# Altium PCB PCB.PcbDoc (continued)
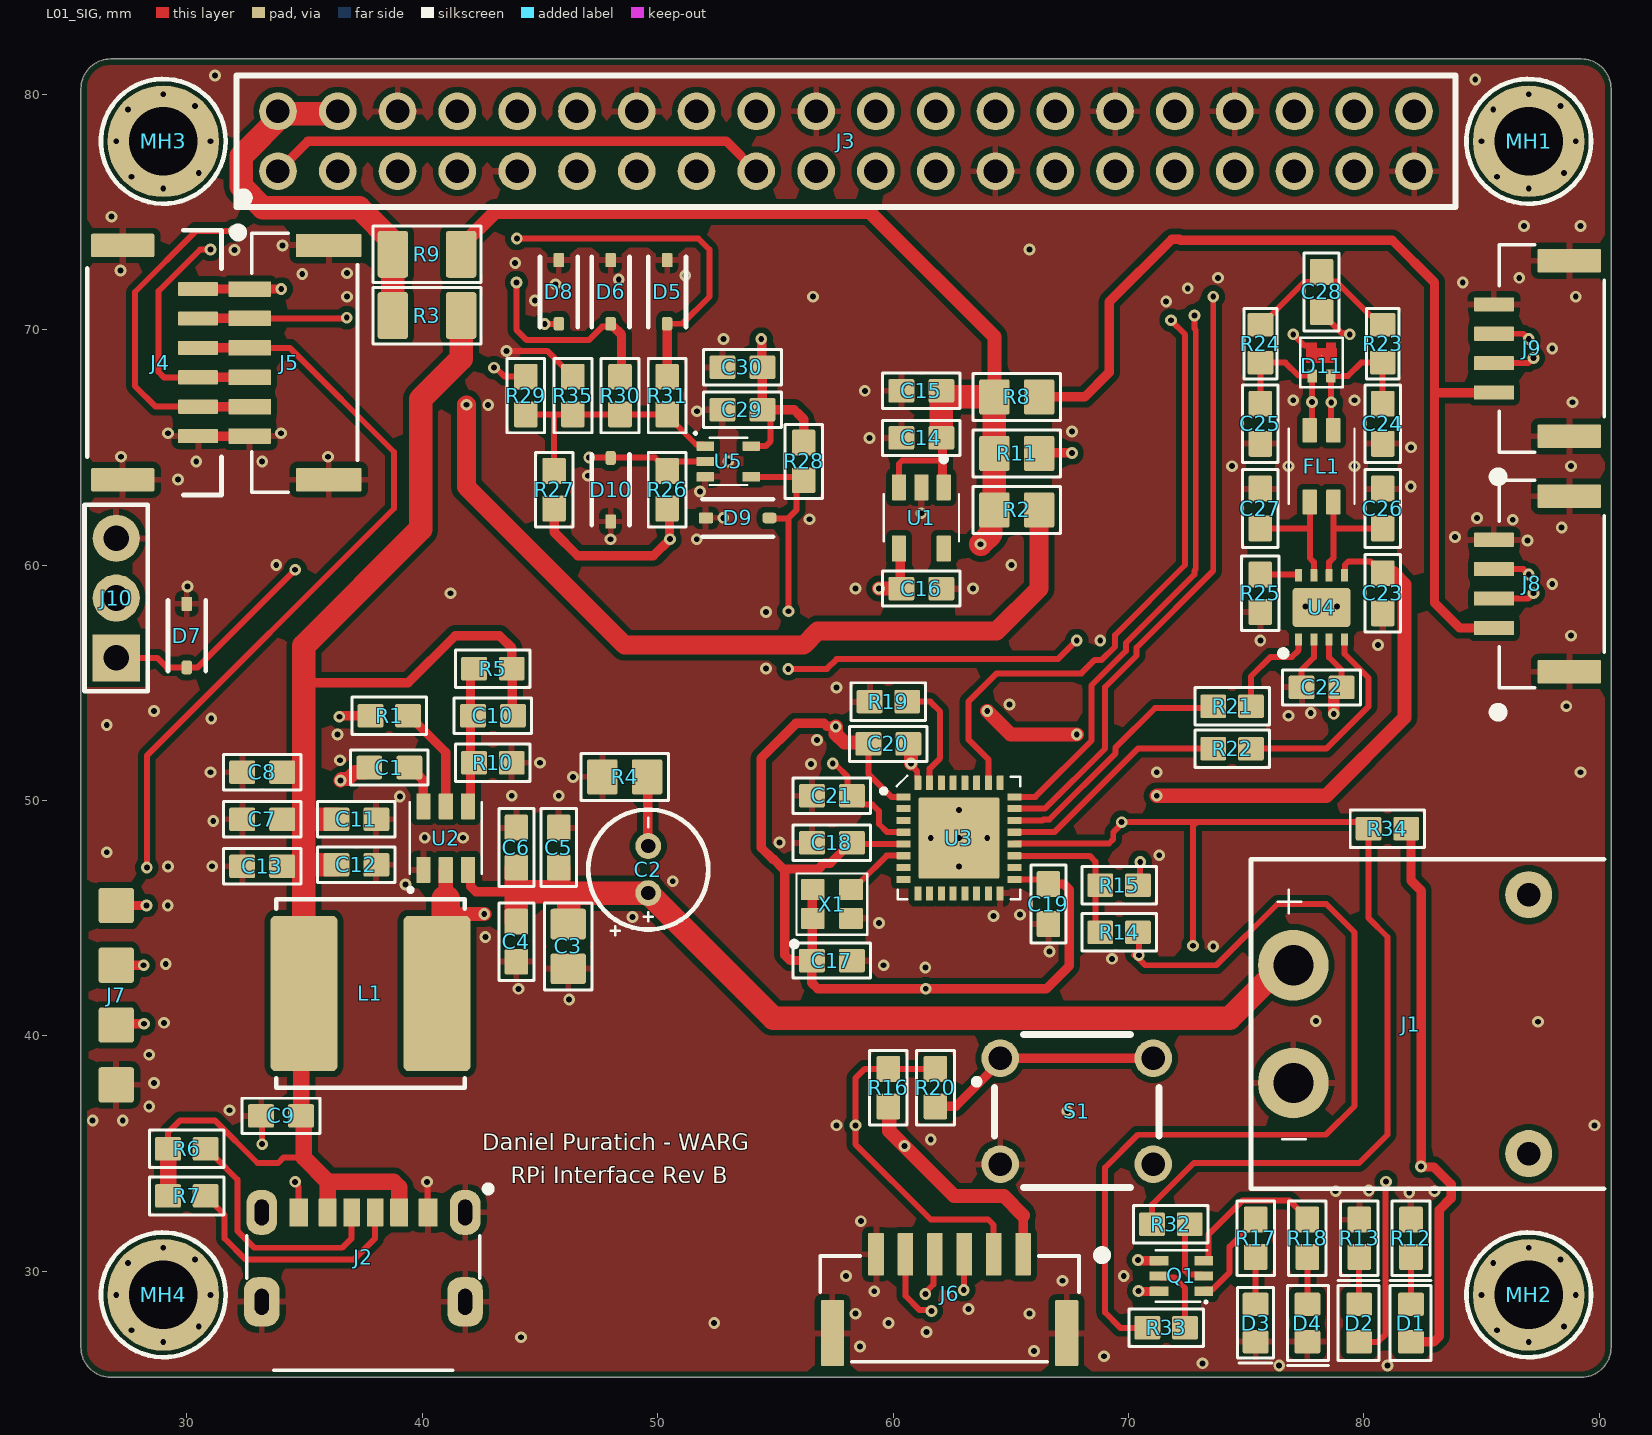
[diagram p0: L01_SIG view]
## Footprints (in the part's own frame and the unit in brackets; to place one, negate y for a bottom-side part, rotate by r counter-clockwise, add the part's x,y. Pads: shape width x height; smd on the part's side, far side on the other; paste and mask are expansions set on the pad)
74LVC1G125GW,125-Footprint-1 [mm]
  rrect15% 0.75x0.4 smd: 1(-0.975,0.65) 2(-0.975,0) 3(-0.975,-0.65) 4(0.975,-0.65) 5(0.975,0.65)
  silkscreen extent -1.41,-1 0.8,1.21, body extent -1,-1.07 1.1,1.07, height 0.91
61300311121 [mm] "Pin Header, pitch 2.54 mm, THT, Vertical, single row, 3p"
  rect 2x2 hole 1.1: 1(-2.54,0)
  round 2 hole 1.1: 2(0,0) 3(2.54,0)
  silkscreen extent -3.96,-1.35 3.96,1.35, body extent -3.81,-1.27 3.81,1.27, height 8.57
.CAP_0603-Footprint-1 [mm]
  rrect15% 1.1x1 smd: 1(-0.85,0) 2(0.85,0)
  silkscreen extent -1.65,-0.75 1.65,0.75, body extent -0.87,-0.45 0.87,0.5, height 0.87
.CAP_0805-Footprint-1 [mm]
  rrect15% 1.3x1.5 smd: 1(-0.95,0) 2(0.95,0)
  silkscreen extent -1.85,-1 1.85,1, body extent -1.1,-0.7 1.1,0.75, height 1.39
.LED_0603-Footprint-1 [mm]
  rrect20% 1x1.1 smd: 1(-0.8,0) 2(0.8,0)
  silkscreen extent -1.6,-0.85 1.8,0.9, body extent -0.81,-0.4 0.81,0.4, height 0.6
.RES_0603-Footprint-1 [mm]
  rrect15% 1.1x1 smd: 1(-0.8,0) 2(0.8,0)
  silkscreen extent -1.58,-0.8 1.58,0.8, body extent -0.8,-0.4 0.8,0.4, height 0.46
.RES_0805-Footprint-1 [mm]
  rrect15% 1.3x1.5 smd: 1(-0.95,0) 2(0.95,0)
  silkscreen extent -1.85,-1 1.85,1, body extent -1,-0.62 1,0.63, height 0.61
.RES_1206-Footprint-1 [mm]
  rrect20% 1.3x2 smd: 1(-1.45,0) 2(1.45,0)
  silkscreen extent -2.3,-1.2 2.3,1.2, body extent -1.6,-0.8 1.6,0.8, height 0.61
ACT1210D-510-2P-TL00-Footprint-1 [mm]
  rrect10% 1.05x0.6 smd: 1(-1.525,0.5) 2(-1.525,-0.5) 3(1.525,-0.5) 4(1.525,0.5)
  silkscreen extent -1.6,-1.4 1.6,1.4, body extent -1.95,-1.25 1.95,1.25, height 2.5
ASDDV-8.000MHZ-LR-T-Footprint-1 [mm]
  rrect10% 1x0.9 smd: 1(-0.813,-0.613) 2(0.813,-0.613) 3(0.813,0.613) 4(-0.813,0.613)
  silkscreen extent -1.7,-1.8 1.5,1.3, body extent -1.25,-1 1.25,1, height 0.91
BM06B-GHS-TBT-Footprint-1 [mil]
  rrect10% 26x71 smd paste+0: 1(123.03,91.58) 2(73.82,91.58) 3(24.61,91.58) 4(-24.61,91.58) 5(-73.82,91.58) 6(-123.03,91.58)
  rrect10% 39x110 smd paste-55: 7(-195.87,-40.31) 8(195.87,-40.31)
  silkscreen extent -216,-89 223,116, body extent -212,-84 212,111, height 166
CONN_SM04B-GHS-TB_JST [mm]
  rrect10% 0.6x1.7 smd: 1(-1.875,1.876) 2(-0.625,1.876) 3(0.625,1.876) 4(1.875,1.876)
  rrect10% 1x2.7 smd: 5(-3.725,-1.324) 6(3.725,-1.324)
  silkscreen extent -5.65,-2.8 4.4,1.9, body extent -4.13,-2.55 4.13,2.3, height 4.25
DESD5V0U1BA-7-Footprint-1 [mm]
  rrect15% 0.59x0.45 smd mask+0.102: 1(1.35,0)
  rrect50% 0.59x0.45 smd: 2(-1.35,0)
  silkscreen extent -1.5,-0.8 1.5,0.8, body extent -1.25,-0.65 1.25,0.65, height 1.2
ECE-A1EKA220-Footprint-1 [mm]
  round 1.1 hole 0.6: 1(-1,0) 2(1,0)
  silkscreen extent -2.8,-2.55 2.55,2.55, body extent -2.73,-2.49 2.73,2.49, height 7.01
LTST-C194TBKT-Footprint-1 [mm]
  rrect20% 1x1.1 smd: 1(-0.8,0) 2(0.8,0)
  silkscreen extent -1.51,-0.76 1.69,0.76, body extent -0.81,-0.4 0.81,0.4, height 0.6
M2.5HOLE-STANDARD-Footprint-1 [mm]
  round 4.75 hole 2.9: 1(0,0)
  silkscreen extent -2.65,-2.65 2.65,2.65
PESD2CANFD24U-QCZ-Footprint-1 [mm]
  rrect10% 0.4x0.55 smd: 1(0.4,0.375) 2(-0.4,0.375)
  round 0.025 smd: 3(0,-0.5)
  L01_SIG region: -0.6,-1.05 -0.6,-0.8 -0.65,-0.8 -0.65,-0.2 0.65,-0.2 0.65,-0.8 0.6,-0.8 0.6,-1.05 0.2,-1.05 0.2,-0.8 -0.2,-0.8 -0.2,-1.05
  silkscreen extent -0.9,-1.25 0.9,0.85, body extent -0.7,-0.82 0.7,0.4, height 0.49
PPPC202LFBN-RC-Footprint-1 [mm]
  round 1.6 hole 1: 1(-24.13,-1.27) 2(-24.13,1.27) 3(-21.59,-1.27) 4(-21.59,1.27) 5(-19.05,-1.27) 6(-19.05,1.27) 7(-16.51,-1.27) 8(-16.51,1.27) 9(-13.97,-1.27) 10(-13.97,1.27) 11(-11.43,-1.27) 12(-11.43,1.27) 13(-8.89,-1.27) 14(-8.89,1.27) 15(-6.35,-1.27) 16(-6.35,1.27) 17(-3.81,-1.27) 18(-3.81,1.27) 19(-1.27,-1.27) 20(-1.27,1.27) 21(1.27,-1.27) 22(1.27,1.27) 23(3.81,-1.27) 24(3.81,1.27) 25(6.35,-1.27) 26(6.35,1.27) 27(8.89,-1.27) 28(8.89,1.27) 29(11.43,-1.27) 30(11.43,1.27) 31(13.97,-1.27) 32(13.97,1.27) 33(16.51,-1.27) 34(16.51,1.27) 35(19.05,-1.27) 36(19.05,1.27) 37(21.59,-1.27) 38(21.59,1.27) 39(24.13,-1.27) 40(24.13,1.27)
  silkscreen extent -25.9,-2.8 25.9,2.8, body extent -25.65,-2.54 25.65,2.54, height 8.52
RES0603 [mm] "SMT Resistor 0603"
  rrect15% 1x1.1 smd: 1(-0.8,0) 2(0.8,0)
  silkscreen extent -1.5,-0.7 1.5,0.7, body extent -0.8,-0.4 0.8,0.4, height 0.46
SM06B-GHS-TB [mm]
  rrect15% 0.6x1.7 smd paste+0 mask+0.05: 1(-3.125,2.275) 2(-1.875,2.275) 3(-0.625,2.275) 4(0.625,2.275) 5(1.875,2.275) 6(3.125,2.275)
  rrect15% 1x2.7 smd paste+0 mask+0.05: 7(-4.975,-0.925) 8(4.975,-0.925)
  silkscreen extent -5.63,-2.42 5.63,3.27, body extent -5.58,-2.37 5.58,3.22, height 0.25
SOLDERPAD_4PIN-Footprint-1 [mm]
  rrect15% 1.5x1.5 smd: 1(0,3.81) 2(0,1.27) 3(0,-1.27) 4(0,-3.81)
SOT-23-5 [mm]
  rrect10% 1.1x0.6 smd: 1(-1.3,0.95) 2(-1.3,0) 3(-1.3,-0.95) 4(1.3,-0.95) 5(1.3,0.95)
  silkscreen extent -2.61,-1.6 1,1.6, body extent -1.4,-1.45 1.4,1.45, height 1.45
SRN8040TA-4R7M-Footprint-1 [mm]
  rrect15% 6.6x2.85 smd: 1(0,2.825) 2(0,-2.825)
  silkscreen extent -4,-4 4,4
SSM6N7002KFULF-Footprint-1 [mm]
  rrect15% 0.4x0.8 smd: 1(-0.65,-0.95) 2(0,-0.95) 3(0.65,-0.95) 4(0.65,0.95) 5(0,0.95) 6(-0.65,0.95)
  silkscreen extent -1.11,-1.1 1.1,1.1, body extent -1,-1.05 1,1.05, height 0.95
STM32L431KCU6-Footprint-1 [mm]
  rrect10% 0.6x0.3 smd: 1(-2.35,1.75) 2(-2.35,1.25) 3(-2.35,0.75) 4(-2.35,0.25) 5(-2.35,-0.25) 6(-2.35,-0.75) 7(-2.35,-1.25) 8(-2.35,-1.75) 17(2.35,-1.75) 18(2.35,-1.25) 19(2.35,-0.75) 20(2.35,-0.25) 21(2.35,0.25) 22(2.35,0.75) 23(2.35,1.25) 24(2.35,1.75)
  rrect10% 0.3x0.6 smd: 9(-1.75,-2.35) 10(-1.25,-2.35) 11(-0.75,-2.35) 12(-0.25,-2.35) 13(0.25,-2.35) 14(0.75,-2.35) 15(1.25,-2.35) 16(1.75,-2.35) 25(1.75,2.35) 26(1.25,2.35) 27(0.75,2.35) 28(0.25,2.35) 29(-0.25,2.35) 30(-0.75,2.35) 31(-1.25,2.35) 32(-1.75,2.35)
  rrect5% 3.45x3.45 smd paste-2539.97: 33(0,0)
  silkscreen extent -3.3,-2.6 2.6,2.65, body extent -2.5,-2.5 2.5,2.5, height 0.61
TJA1051TK_3,118-Footprint-1 [mm]
  rrect15% 0.525x0.3 smd: 1(-1.362,0.975) 2(-1.362,0.325) 3(-1.362,-0.325) 4(-1.362,-0.975) 5(1.362,-0.975) 6(1.362,-0.325) 7(1.362,0.325) 8(1.362,0.975)
  rrect15% 1.65x2.45 smd: 9(0,0)
  silkscreen extent -2.08,1.5 -1.82,1.75, body extent -1.5,-1.5 1.5,1.5, height 1.01
TPS565208DDCR-Footprint-1 [mm]
  rrect10% 1.1x0.6 smd: 1(-1.35,0.95) 2(-1.35,0) 3(-1.35,-0.95) 4(1.35,-0.95) 5(1.35,0) 6(1.35,0.95)
  silkscreen extent -2.24,-1.53 1.53,1.54, body extent -1.4,-1.45 1.4,1.45, height 1.1
TS02-66-70-BK-160-LCR-D-Footprint-1 [mm]
  round 1.6 hole 1: 1(-3.25,2.25) 2(3.25,2.25) 3(-3.25,-2.25) 4(3.25,-2.25)
  silkscreen extent -4.35,-3.25 3.5,3.25, body extent -3.95,-3 3.95,3, height 6.91
USB4125-GF-A-Footprint-1 [mm]
  rrect10% 0.8x1.2 smd: 1(2.75,1) 6(-2.75,1)
  rrect10% 0.76x1.2 smd: 2(1.52,1) 5(-1.52,1)
  rrect10% 0.7x1.2 smd: 3(0.5,1) 4(-0.5,1)
  rrect84% 1.3x1.9 hole 0.6 slot 1.1 at 90 deg: 7(-4.32,1) 9(4.32,1)
  rrect73% 1.5x2.1 hole 0.6 slot 1.1 at 90 deg: 8(-4.32,-2.8) 10(4.32,-2.8)
  silkscreen extent -4.95,-5.7 5.4,2.1, body extent -4.47,-5.45 4.47,1.45, height 3.26
XT60PW-M-Footprint-1 [mm] "XT60PW-M-Footprint-1"
  round 3 hole 1.7: 1(-2.5,0) 2(2.5,0)
  round 2 hole 1: MH0(-5.5,10) MH1(5.5,10)
  silkscreen extent -7,-1.8 7,13.2, body extent -6.65,-1 6.65,12.95, height 5

## Part data
C1 C12 C22: library part CMP-00057-2, "CAP CER 0.1UF 25V X7R 0603", Capacitance=100nF, Case/Package=0603, Dielectric=X7R, Tolerance=10%, Voltage Rating=25V
C2: library part CMP-00311-1, "CAP ALUM 22UF 20% 25V RADIAL TH", Capacitance=22uF, Voltage=25V, Mount="TH Radial"
C3: library part CMP-001-00009-5, "CAP CER 10uF 50V X5R 0805", Capacitance=10uF, Package=0805, Temperature Coefficient=X5R, Voltage=50V
C4: library part CMP-00096-4, "CAP CER 1UF 50V X5R 0603", Capacitance=1uF, Dielectric=X5R, Package=0603, Voltage=50V
C5: library part CMP-00227-5, "CAP CER 0.1UF 50V X7R 0603", Temperature Coefficient=X7R, Voltage Rating=50V
C6: library part CMP-00050-3, "CAP CER 0.01UF 50V X7R 0603", Capacitance=10nF, Dielectric=X7R, Package=0603, Voltage=50V
C7 C8 C9: library part CMP-00056-4, "CAP CER 10UF 25V X5R 0603", Case/Package=0603, Temperature Coefficient=X5R, Voltage Rating=25V
C10: library part CMP-001-00085-1, "CAP CER 100PF 100V C0G/NP0 0603", Capacitor Type=Ceramic, Case/Package=0603, Max Operating Temperature=125°C, Min Operating Temperature=-55°C, Package Shape=Rectangular, Package Style=SMTMeter, Rated DC Voltage (URdc)=100V, Temperature Characteristics Code=C0G, Tolerance  (fill in as +-)=5%, Dielectric Material=Ceramic, Height=0.9mm, JESD-609 Code=e3, Length=1.6mm, Mounting Technology="Surface Mount", Multilayer=Yes, Packaging="Tape and Reel", Pins=2, Reach SVHC Compliant=Yes, Reference Standard=AEC-Q200, RoHS Compliant=Yes, Terminal Finish=Nickel, Termination=Wraparound, Tolerance (fill in as +-)=5%, Width=0.8mm
C11 C17: library part CMP-00217-1, "CAP CER 10nF 25V X7R 0603", Capacitance=10nF, Package=0603, Temperature Coefficient=X7R, Voltage Rating=25V
C13 C15 C16 C30: library part CMP-00240-2, "CAP CER 1UF 25V X7R 0603", Capacitance=1uF, Temperature Coefficient=X7R, Tolerance=10%, Voltage Rating=25V, Mounting Technology="Surface Mount"
C14: library part CMP-001-00002-10, "CAP CER 4.7uF 25V X6S 0603", Capacitance=4.7uF, Dielectric=X6S, Package=0603, Voltage=25V
C18: library part CMP-001-00045-2, "CAP CER 4.7UF 10V X7R 0603", Capacitance=4.7uF, Package=0603, Temperature Coefficient=X7R, Voltage=10V
C19 C20 C23 C29: library part CMP-001-00003-9, "CAP CER 100nF 16V X7R 0603", Capacitance=100nF, Package=0603, Temperature Coefficient=X7R, Voltage=16V
C21: library part CMP-001-00036-3, "CAP CER 0.1UF 25V X7R 0603", Capacitance=0.1uF, Package=0603, Temperature Coefficient=X7R, Voltage Rating=25V
C24 C25 C26 C27: library part CMP-00246-3, "CAP CER 22PF 50V C0G/NPO 0603", Package=0603, Temperature Coefficient=C0G,NP0, Tolerance=5%, Voltage=50V
C28: library part CMP-001-00080-1, "CAP CER 4700PF 50V X7R 0603", Capacitor Type=Ceramic, Case/Package=0603, Max Operating Temperature=125°C, Min Operating Temperature=-55°C, Package Shape=Rectangular, Package Style=SMTMeter, Rated DC Voltage (URdc)=50V, Temperature Characteristics Code=X7R, Tolerance  (fill in as +-)=10%, Dielectric Material=Ceramic, Height=0.9mm, JESD-609 Code=e3, Length=1.6mm, Mounting Technology="Surface Mount", Multilayer=Yes, Packaging="Tape and Reel", Pins=2, Reach SVHC Compliant=Yes, Reference Standard=AEC-Q200, RoHS Compliant=Yes, Terminal Finish=Nickel, Termination=Wraparound, Tolerance (fill in as +-)=10%, Width=0.8mm
D1 D2: library part CMP-001-00018-6, "LED GREEN 2V 0603", Case/Package=0603, Color=Green, Forward Current=20mA, Forward Voltage=2V
D3: library part CMP-00017-3, "LED BLUE CLEAR 0603 SMD", Color=Blue, Forward Current=20mA, Forward Voltage=2.8V, Package=0603, Wavelength=473nm
D4: library part CMP-004-00004-5, "LED RED 2V 0603", Case/Package=0603, Color=Red, Forward Current=30mA, Forward Voltage=2V, Luminous Intensity=54mcd, Mount="Surface Mount"
D5 D6 D7 D8 D9 D10: library part CMP-00145-5, "TVS DIODE, 5V V(RWM), Bidirectional, 1 Element, Silicon", Max Breakdown Voltage=9.5V, Max Operating Temperature=150°C, Max Power Dissipation=250mW, Min Breakdown Voltage=5.5V, Min Operating Temperature=-65°C, Rep Pk Reverse Voltage-Max=5V, Diode Type="TRANS VOLTAGE SUPPRESSOR", Polarity=Bidirectional
D11: library part CMP-00239-5, "TVS DIODE 24VWM 43VC DFN1412D-3"
FL1: library part CMP-00243-2, "CMC 50UH 115MA 2LN 2.3KOHM SMD"
J1: library part CMP-00134-3, "Board Mount XT30PW-M 2 Pin Male Connector"
J2: library part CMP-0024878-6, "CONN RCPT TYPE C 6P SMD RA", Entry Type=R/A, Series=USB-C
J3: library part CMP-00254-3, "CONN HDR 40POS 2.54mm VERT", Mount="Through Hole", Pins=40, Pitch=2.54mm, Rows=2, Type=Vertical
J4: library part CMP-00248-3, "CONN HEADER SMD R/A 6POS 1.25MM", Current Rating=1A, Voltage=50V, Entry Type=R/A, Pitch=1.25mm, Positions=6, Rows=1, Series=JST-GH
J5 J6: library part CMP-002-00014-8, "Connector Header Surface Mount 6 position 0.049\" (1.25mm)", Entry Type=Vert, Pins=6, Series=JST-GH
J7: library part CMP-00291-1, "Solder Pad 4 Pin 2.54 mm pitch"
J8 J9: library part CMP-068-000000-5, "Conn Shrouded Header HDR 4 POS 1.25mm Solder RA SMD Reel", Entry Type=R/A, Pins=4, Series=JST-GH
J10: library part CMP-00111-3, "CONN HDR 3 POS 2.54", Connector Type="Male Pin", Mount="Through Hole", Pitch=100mil, Positions=3
L1: library part CMP-00310-1, "FIXED IND 4.7UH 5.8A 19.5MOHM SM", Inductance=4.7uH, Resistance=19.5m, Saturation="5.8 A"
MH1 MH2 MH3 MH4: library part CMP-00308-1, "M2.5 Clearance Hole Normal Fit", Diameter Drill=2.9mm
Q1: library part CMP-00313-2, "MOSFET 2P-CH 30V 0.1A US6", Channels=2, Ids Max=100mA, Vds Max=30V
R1 R6 R7 R10 R16 R26 R27 R28 R34: library part CMP-009-00054-3, "RES 10K OHM 1% 1/10W 0603", Package=0603, Power=100mW, Resistance=10k, Tolerance=1%
R2 R8 R11: library part CMP-009-00076-3, "RES 0 OHM JUMPER 1/8W 0805", Package=0805, Power=125mW, Resistance=0
R3 R9: library part CMP-00316-1, "RES 0 OHM JUMPER 1/4W 1206", Package=1206, Power=1/4W, Resistance=0, Tolerance=?
R4: library part CMP-00300-1, "RES 0.22 OHM 1% 1/3W 0805", Package=0805, Power=1/3W, Resistance=220m, Tolerance=1%
R5: library part CMP-00244-3, "RES 59.7K OHM 0.1% 1/10W 0603", Package=0603, Power Rating=1/10W, Resistance=59.7K, Tolerance=0.1%
R12 R13: library part CMP-009-00012-4, "RES 1k OHM 1% 1/10W 0603", Package=0603, Power=1/10W, Tolerance=1%
R14 R15 R29 R30 R31 R35: library part CMP-00139-2, "RES 0 OHM JUMPER 1/10W 0603"
R17 R18: library part CMP-00317-1, "RES 220 OHM 1% 1/10W 0603", Package=0603, Power=1/10W, Resistance=220, Tolerance=1%
R19 R25: library part CMP-009-00006-5, "RES 10K OHM 1% 1/10W 0603", Package=0603, Power=1/10W, Resistance=10k, Tolerance=1%
R20 R21 R22 R32 R33: library part CMP-009-00084-2, "RES 10 OHM 1% 1/10W 0603", Package=0603, Power=1/10W, Resistance=10, Tolerance=1%
R23 R24: library part CMP-00245-1, "RES 60.4 OHM 1% 1/10W 0603", Power=100mW, Tolerance=1%
S1: library part CMP-00309-1, "SWITCH TACTILE SPST-NO 0.05A 12V", Current=50mA, Voltage=12V, Mount=TH
U1: library part CMP-00225-4, "IC REG LINEAR 3.3V 500MA SOT23-5"
U2: library part CMP-00229-3, "IC REG BUCK ADJ 5A SOT23"
U3: library part CMP-00224-6, "IC MCU 32BIT 256KB FLSH 32UFQFPN"
U4: library part CMP-00219-3, "IC TRANSCEIVER HALF 1/1 8HVSON"
U5: library part CMP-00315-1, "IC BUFF NON-INVERT 5.5V 5TSSOP"
X1: library part CMP-00242-3, "OSC XO 8.000MHZ CMOS SMD", Frequence Stability=25ppm, Frequency=8MHz

## Via types
v1: diameter 0.5, hole 0.25, L01_SIG to L04_GND, tented both sides, 253 vias

## Nets (pads, with @x,y where several pads share a name; then routed paths per layer and width w, separated by ;. In a path a pad name is that pad's centre, name@x,y a point inside that pad or via, vN(x,y) a via of type N, cw(c..) or ccw(c..) an arc to the next point about the centre after c; other vN are vias at no path point)
BOOT0: R19.2 U3.31 | length 4.8
  L01_SIG w0.254: R19.2 61.58,54.2 62,53.78 62,51.8 61.55,51.35 U3.31
CAN1_RX: R22.2 U3.21 | length 9.9
  L01_SIG w0.254: U3.21 66.85,48.65 70.4,52.2 R22.2
CAN1_TX: R21.2 U3.22 | length 10.6
  L01_SIG w0.254: U3.22 66.35,49.15 66.393,49.193 66.639,49.193 69.457,52.011 69.457,52.257 71.124,53.924 73.524,53.924 R21.2
CAN_H: C25.2 D11.1 FL1.2 J8.2 J9.2 R24.2 | length 38.8
  L01_SIG w0.254: C25.2 R24.2 76.662,68.6 77.219,68.042 77.783,68.042 D11.1 v1(77.8,66.925) 77.8,65.825 FL1.2 ; J8.2 86.975,58.575 v1(87.2,58.8) ; J9.2 86.975,68.575 v1(87.2,68.8)
  L03_SIG w0.254: v1(77.8,66.925) 77.8,67.847 79.122,69.169 84.769,69.169 86,70.4 88,70.4 88.695,69.705 88.695,68.495 88.4,68.2 87.8,68.2 v1(87.2,68.8) 87.2,64 89.031,62.169 89.031,59.339 88.261,58.569 87.498,58.569 87.267,58.8 v1(87.2,58.8)
CAN_H_FILT: C27.2 FL1.3 U4.7 | length 5.3
  L01_SIG w0.254: C27.2 77.647,61.55 77.7,61.497 ; FL1.3 77.7,61.497 ; U4.7 77.875,60.125 77.7,60.3 77.7,61.497
CAN_L: C24.2 D11.2 FL1.1 J8.3 J9.3 R23.2 | length 30.6
  L01_SIG w0.254: D11.2@78.6,68.03 79.317,68.03 79.887,68.6 R23.2 C24.2 ; D11.2@78.612,68.013 v1(78.612,66.913) 78.612,65.813 FL1.1 ; J8.3 86.775,59.825 v1(87,59.6) ; J9.3 86.775,69.825 v1(87,69.6)
  L03_SIG w0.254: v1(78.612,66.913) 78.612,68.012 79.312,68.712 85.112,68.712 86,69.6 v1(87,69.6) 87,69.57 86.569,69.139 86.569,67.631 86.743,67.457 86.743,63.811 87.579,62.974 87.579,60.179 v1(87,59.6)
CAN_L_FILT: C26.2 FL1.4 U4.6 | length 5.3
  L01_SIG w0.254: U4.6 78.525,60.125 78.7,60.3 78.7,61.621 ; FL1.4 78.7,61.621 ; C26.2 78.771,61.55 78.7,61.621
FC_3V3: C16.2 C17.2 C18.2 C19.2 C20.2 C23.2 J6.1 R16.2 U1.4 U3.1 U3.5 U3.17 U4.5 X1.1 X1.4 | length 107
  L01_SIG w0.254: C18.2 58.3,48.15 U3.5 ; C20.2 58.95,51.128 59.928,50.15 U3.1 ; U3.17 66.4,46.65 C19.2 ; U4.5 79.198,59.585 79.198,60.007 79.347,60.156 80.278,60.156 80.361,60.073 80.427,60.073 80.8,59.7 C23.2
  L01_SIG w0.4: X1.4@56.581,46.219 X1.4 56.569,46.194 56.569,43.219 C17.2 ; v1(57.563,53.134) 57.544,53.153 57.184,53.153 57.065,53.272 55.872,53.272 54.4,51.8 54.4,47.994 54.894,47.5 54.929,47.5 55.358,47.072 ; C18.2 58.2,48.2 57.334,47.334 57.07,47.334 56.826,47.09 55.376,47.09 55.358,47.072 ; U1.4 60.3,60.65 60.3,59.05 C16.2 ; J6.1 65.525,32.377 ; C19.2 67.25,46.45 67.484,46.216 67.484,42.97 66.514,42 v1(61.388,42) 56.8,42 56.55,42.25 C17.2 ; 55.358,47.072 55.4,47.029 55.4,43.434 55.634,43.2 C17.2
  L01_SIG w0.6: v1(57.563,53.134) 57.563,52.824 57.929,52.458 58.892,52.458 C20.2 ; v1(59.4,59) C16.2 ; R16.2 59.839,36.961 59.839,35.961 62.6,33.2 63.985,33.2 63.989,33.196 64.706,33.196 65.525,32.377 ; v1(64,53.8) 65,52.8 v1(67.8,52.8) ; v1(71.2,50.2) 78.4,50.2 81.727,53.527 81.727,59.173 81.25,59.65 C23.2
  L03_SIG w0.6: v1(57.563,53.134) 58.734,53.134 59.2,53.6 59.4,53.8 ; v1(59.4,59) 59.4,53.8 ; v1(60.489,35.32) 60.489,39.289 61.388,40.188 v1(61.388,42) ; v1(64,53.8) 59.4,53.8 ; v1(67.8,52.8) 68.4,52.8 71,50.2 v1(71.2,50.2)
FC_5V0: C14.2 C15.2 C22.2 D2.1 R2.2 R8.2 R9.1 R11.2 U1.1 U1.3 U4.3 | length 117.7
  L01_SIG w0.254: U1.3 60.25,64.241 60.251,64.242 60.251,64.301 60.4,64.45 62.1,64.45 ; U4.3 78.525,56.075 79.05,55.55 C22.2 ; D2.1 80.6,27 80.926,27.326 80.926,33.789 v1(80.944,33.807)
  L01_SIG w0.4: C14.2@62.05,65.6 62.1,65.55 62.1,64.45 62.1,63.35 U1.1
  L01_SIG w0.5: v1(78.72,53.679) 78.72,54.47 78.75,54.5 78.75,54.55 79,54.8 C22.2
  L01_SIG w0.6: R9.1 41.65,73.55 43.1,75 59,75 64.303,69.697 R8.2
  L01_SIG w1: C14.2@62.05,65.6 C15.2 62.1,67.4 62.359,67.141 R8.2 R11.2 R2.2 64.153,62.191 64.153,61.324 v1(63.715,60.886)
  L03_SIG w0.5: v1(63.715,60.886) 63.715,67.115 66.2,69.6 71.4,69.6 72.105,68.895 72.105,68.889 75.241,65.753 75.241,58.693 75.533,58.4 75.545,58.4 76.762,57.183 76.762,55.763 78.498,54.026 78.498,53.901 v1(78.72,53.679) 78.72,43.902 79.8,42.822 79.8,36.909 82.291,36.909 83.754,35.446 83.754,33.088 82.998,32.331 81.88,32.331 80.967,33.245 80.967,33.784 v1(80.944,33.807)
FC_CTS: D6.2 J4.4 J5.4 R30.1 | length 33.3
  L01_SIG w0.254: J4.4 29.025,67.975 28.8,68.2 28.8,71.641 30.559,73.4 v1(31,73.4) ; v1(44,72) 44,70 44.445,69.555 47.074,69.555 47.642,70.123 47.902,70.123 48,70.221 D6.2
  L01_SIG w0.4: J4.4 J5.4 ; D6.2 48,70.18 48.025,70.155 48.095,70.155 48.462,69.788 48.462,68.062 R30.1
  L03_SIG w0.254: v1(31,73.4) 31.646,72.754 34.133,72.754 34.579,73.2 39.767,73.2 40.967,72 v1(44,72)
FC_GPIO: D7.2 J10.1 R29.1 | length 25.3
  L01_SIG w0.254: J10.1 28.74,56.06 29.143,55.657 30.457,55.657 v1(34.6,59.8) ; v1(43.047,68.385) 43.113,68.385 43.499,68 R29.1
  L03_SIG w0.254: v1(34.6,59.8) 37.8,59.8 43.431,65.431 43.431,67.237 43.047,67.621 v1(43.047,68.385)
FC_RTS: D5.2 J4.5 J5.5 R31.1 | length 41.6
  L01_SIG w0.254: J4.5 28.675,66.725 27.8,67.6 27.8,71.6 30.4,74.2 v1(32,74.2) ; v1(44.018,73.868) 51.732,73.868 52.2,73.4 52.2,71.4 51.05,70.25 D5.2
  L01_SIG w0.4: J4.5 J5.5 ; R31.1 D5.2
  L03_SIG w0.254: v1(32,74.2) 32.009,74.209 43.611,74.209 43.952,73.868 v1(44.018,73.868)
FCC_5V: J8.1 J9.1 R8.1 | length 42.4
  L01_SIG w0.254: 83.462,67.307 J9.1@84.712,67.307
  L01_SIG w0.4: R8.1 68.141,67.141 69.178,68.178 69.178,71.178 71.834,73.834 72.166,73.834 72.2,73.8 81.2,73.8 83,72 83,67.325 83,58.4 84.075,57.325 J8.1 ; 83,67.325 J9.1
FCG_5V: J10.2 R11.1 | length 71.8
  L01_SIG w0.4: R11.1 66.224,64.762 v1(67.598,64.762)
  L03_SIG w0.8: J10.2 27.069,58.6 27.869,57.8 41.2,57.8 49,50 50.706,50 54.591,46.115 71.115,46.115 72.355,47.355 72.355,60.004 v1(67.598,64.762)
FCU_5V: J4.1 J5.1 R2.1 | length 48.3
  L01_SIG w0.4: J4.1 J5.1 32.675,71.726 34.011,71.726 v1(34.012,71.728)
  L01_SIG w0.8: v1(41.874,66.808) 41.874,63.326 48.6,56.6 56.2,56.6 56.8,57.2 64.4,57.2 66.203,59.003 R2.1
  L03_SIG w0.8: v1@34.026,71.714 38.932,66.808 v1(41.874,66.808)
GND: C3.1 C4.1 C5.1 C6.1 C7.1 C8.1 C9.1 C11.1 C12.1 C13.1 C14.1 C15.1 C16.1 C17.1 C18.1 C19.1 C20.1 C21.1 C22.1 C23.1 C24.1 C25.1 C26.1 C27.1 C28.1 C29.1 C30.1 D3.2 D4.2 D5.1 D6.1 D7.1 D8.1 D9.1 D10.1 D11.3 J1.2 J2.1 J2.6 J2.7 J2.8 J2.9 J2.10 J3.6 J3.9 J3.14 J3.20 J3.25 J3.30 J3.34 J3.39 J4.6 J4.7 J4.8 J5.6 J5.7 J5.8 J6.6 J6.7 J6.8 J7.4 J8.4 J8.5 J8.6 J9.4 J9.5 J9.6 J10.3 R4.1 R10.1 R12.1 R13.1 R19.1 R25.1 R35.1 S1.3 S1.4 U1.2 U2.1 U3.16 U3.32 U3.33 U4.2 U4.9 U5.3 X1.2 | length 17.4
  L01_SIG w0.254: C9.1 33.2,36.55 v1(33.2,35.4) ; v1(34.6,33.8) 34.6,33.733 34.75,33.583 J2.6 ; v1(40.2,33.8) 40.225,33.775 40.225,32.525 J2.1 ; v1(43.584,69.098) 45.302,69.098 45.977,68.423 46.027,68.423 46.4,68.05 R35.1 ; v1(60.766,51.566) 60.766,51.5 61.027,51.239 61.027,50.923 61.05,50.9 U3.32 ; v1(77,69.8) 77.474,69.326 77.774,69.326 D11.3 ; C22.1 77.35,55.55 77.875,56.075 U4.2 ; C28.1 78.2,70.7 79.053,69.847 79.353,69.847 v1(79.4,69.8) ; C26.1@80.862,63.657 80.862,63.511 C26.1@81.173,63.2 ; v1(82,65) 82.02,65 v1@82.112,64.907
  L01_SIG w0.4: J4.6 J5.6
  L01_SIG w0.6: C20.1 60.766,52.284 v1(60.766,51.566)
  other v1: 76.4,26 81,26 73.146,26.089 68.963,26.39 65.99,26.61 58.6,26.8 44.2,27.2 61.422,27.42 52.4,27.8 59.8,27.8 58.4,28.2 65.8,28.2 63.2,28.4 59.199,29.153 67.2,29.6 58,29.8 69.8,29.8 58.629,32.129 81.926,33.352 78.8,33.4 83,33.4 80.208,33.43 61.6,35.6 57.6,36.2 89.8,36.2 26,36.4 27.276,36.41 67.4,36.8 31.817,36.838 28.4,37 28.6,38 28.4,39.2 29.031,40.555 87.4,40.6 77.958,40.632 46.239,41.541 44.088,41.999 61.37,42.901 59.6,43 29.102,43.048 69.3,43.274 66.647,43.589 73.6,43.8 42.68,44.204 59.4,44.8 48.935,45.048 64.264,45.092 65.394,45.149 29.19,45.539 39.289,46.429 50.642,46.57 29.2,47.2 62.8,47.2 31.076,47.207 71.307,47.674 26.6,47.8 55.17,48.22 40.106,48.419 41.725,48.415 61.6,48.4 62.8,48.4 64,48.4 31.12,49.123 62.8,49.6 39.047,50.171 43.8,50.2 45.8,50.2 46.4,51 31,51.2 71.2,51.2 89.2,51.2 56.512,51.545 45,51.6 36.508,51.709 56.774,52.568 36.4,52.8 26.6,53.2 31.037,53.481 76.8,53.6 77.744,53.714 28.6,53.8 88.6,54 64.942,54.079 57.6,54.8 54.6,55.6 80.6,56.6 68.8,56.8 75.6,56.8 88.8,57 54.6,58 77.516,58.241 78.856,58.243 41.2,58.8 58.4,59 63.4,59 30.033,59.09 88,59.2 33.8,60 65.024,59.997 86.948,61.038 47.994,61.096 51.659,61.096 83.869,61.187 88.4,61.6 86.321,61.923 56.447,61.943 52.788,62.005 84.8,62 61.2,62.2 51.798,63.129 81.99,63.342 29.626,63.634 47.039,63.792 74.4,64.2 76.8,64.2 79.6,64.2 88.8,64.2 30.4,64.4 33.2,64.4 53,64.4 27.2,64.6 36,64.6 59,65.4 29.2,65.6 34,65.6 67.603,65.67 51.676,66.532 42.8,66.8 88.863,66.918 77,67 79.6,67 58.8,67.4 88,69.2 52.8,69.6 71.6,71.2 44.786,71.233 36.8,71.4 56.6,71.4 89,71.4 72.518,71.753 45.658,71.924 84.2,72 48.347,72.129 73.8,72.2 86.6,72.2 51.174,72.302 34.902,72.358 36.8,72.4 27.184,72.515 43.947,72.827 32.022,73.385 65.8,73.4 34.065,73.578 86.8,74.4 89.2,74.4 26.8,74.8 84.731,80.621 31.2,80.8
GPIO2: J3.3
GPIO3: J3.5
GPIO4: J3.7
GPIO5: J3.29
GPIO6: J3.31
GPIO7: J3.26
GPIO8: J3.24
GPIO9: J3.21
GPIO10: J3.19
GPIO11: J3.23
GPIO12: J3.32
GPIO13: J3.33
GPIO16: J3.36
GPIO17: J3.11
GPIO18: J3.12
GPIO19: J3.35
GPIO20: J3.38
GPIO21: J3.40
GPIO22: J3.15
GPIO23: J3.16
GPIO24: J3.18
GPIO25: J3.22
GPIO26: J3.37
GPIO27: J3.13
HSE_8MHZ: U3.6 X1.3 | length 2.8
  L01_SIG w0.254: X1.3 58.535,46.536 58.602,46.536 59.723,47.657 U3.6@60.443,47.657
ID_SC: J3.28
ID_SD: J3.27
NetC2_2: C2.2 R4.2 | length 3
  L01_SIG w0.4: R4.2 49.575,50.975 49.575,48.089 C2.2
NetC28_2: C28.2 R23.1 R24.1 | length 7.1
  L01_SIG w0.254: R24.1 75.65,70.2 77.477,72.027 77.827,72.027 78.2,72.4 C28.2 78.2,72.418 78.573,72.045 78.831,72.045 80.303,70.573 80.427,70.573 R23.1
NetD1_2: D1.2 R12.2 | length 2
  L01_SIG w0.254: D1.2 R12.2
NetD2_2: D2.2 R13.2 | length 2
  L01_SIG w0.254: D2.2 R13.2
NetD3_1: D3.1 R17.1 | length 2
  L01_SIG w0.254: D3.1 R17.1
NetD4_1: D4.1 R18.1 | length 2
  L01_SIG w0.254: D4.1 R18.1
NetJ2_3: J2.3 R7.1 | length 10.4
  L01_SIG w0.254: R7.1 31.607,32.393 31.607,31.393 32.508,30.492 37.092,30.492 38,31.4 J2.3
NetJ2_4: J2.4 R6.1 | length 10.5
  L01_SIG w0.254: R6.1 30.85,35.2 31.223,34.827 31.223,34.825 32.149,33.899 32.149,31.714 32.863,31 36.6,31 37,31.4 J2.4
NetQ1_1: Q1.1 R17.2 | length 4.1
  L01_SIG w0.254: Q1.1 73.273,29.223 73.565,29.223 74.296,29.954 74.296,31.046 75.4,32.15 R17.2
NetQ1_3: Q1.3 R18.2 | length 6.4
  L01_SIG w0.254: Q1.3 73.331,30.45 73.404,30.523 73.404,31.569 74.839,33.004 76.846,33.004 77.6,32.25 R18.2
NRST: C21.2 J6.2 R16.1 R20.2 U3.4 | length 97.2
  L01_SIG w0.254: v1(57.435,51.575) 57.482,51.528 57.553,51.528 58.072,51.01 58.072,50.378 58.623,49.827 59.116,49.827 59.4,49.543 59.4,49 59.75,48.65 U3.4 ; R20.2 R16.1 58.8,38.6 58.4,38.2 v1(58.4,36.2) 58.4,35.4 61.6,32.2 64.041,32.2 64.275,31.966 J6.2
  L03_SIG w0.254: v1(57.435,51.575) 59.531,51.575 60.153,52.197 64.597,52.197 65.6,53.2 65.6,59.681 65.686,59.766 65.686,66.686 67.07,68.07 68.93,68.07 73.166,63.834 73.166,63.681 74,62.847 74,45.6 74.231,45.369 74.231,40.031 67.2,33 65.317,33 65.229,32.912 63.871,32.912 63.783,33 60.2,33 58.4,34.8 v1(58.4,36.2)
PDB_5V3: C7.2 C8.2 C9.2 C10.2 C11.2 C12.2 C13.2 J2.2 J2.5 L1.2 R3.1 R5.2 R6.2 R7.2 | length 70.6
  L01_SIG w0.254: R6.2 29.2,35.9 29.7,36.4 31.2,36.4 33,34.6 33.875,34.6 34.1,34.825 34.975,34.825
  L01_SIG w0.4: 34.975,55 39.4,55 41.4,57 43.279,57 43.807,56.472 43.807,55.607 R5.2 ; R5.2@43.825,55.575 43.825,53.625 C10.2
  L01_SIG w0.7: R7.2 R6.2 ; L1.2 34.85,41.675 C9.2 34.975,36.475 34.975,34.825 35.98,33.82 ; J2.5 35.98,33.82 ; J2.2 39.02,33.566 38.786,33.8 36,33.8 35.98,33.82
  L01_SIG w1: L1.2 34.975,47.264 ; 34.975,49.2 34.975,55 34.975,56.575 39.928,61.528 39.928,67.045 41.65,68.767 R3.1 ; C12.2 34.975,47.263 ; C11.2 34.987,49.2 34.975,49.188 34.975,47.264
PDB_12V0: C2.1 C3.2 C4.2 C5.2 C6.2 J1.1 R1.2 U2.3 | length 60.6
  L01_SIG w0.4: v1(36.478,53.557) 36.505,53.557 36.549,53.6 R1.2 ; U2.3 42.05,46.95 42.05,46.355 42.284,46.12 44,46.12
  L01_SIG w1: C4.2 44,46.12 ; C6.2 44,47.1 44,46.12 ; C5.2 45.8,46.23 45.69,46.12 44,46.12 ; C3.2 46.231,44.781 46.231,46.064 C2.1 54.906,40.758 74.298,40.758 76.54,43 J1.1
  L03_SIG w0.4: v1(36.478,53.557) 38.043,53.557 45.536,46.064 C2.1
Q1_G1: Q1.2 R32.2 | length 3
  L01_SIG w0.254: R32.2 72.4,31.8 72.4,30.022 72.549,29.873 73.127,29.873 Q1.2
Q1_G2: Q1.5 R33.1 | length 3
  L01_SIG w0.254: Q1.5 71.357,29.743 71.856,29.743 71.859,29.741 71.95,29.741 72.4,29.291 R33.1
RPI_3V3: C29.2 C30.2 D1.1 J3.1 J3.17 Q1.4 Q1.6 R26.2 R27.2 R28.2 R34.2 U5.5 | length 159.6
  L01_SIG w0.254: U5.5 54.587,65.05 54.802,65.265 54.802,66.248 C29.2 ; R28.2@56.135,65.265 R28.2
  L01_SIG w0.4: J3.1 35.14,78 52.92,78 J3.17 ; R27.2 45.6,61.4 46.608,60.392 49.815,60.392 v1(50.523,61.099) 50.503,61.118 50.503,62.297 R26.2 ; v1(54.4,69.6) 54.419,69.581 54.419,68.431 C30.2 C29.2 55.8,66.6 55.999,66.4 56.2,66.2 R28.2 ; v1(70.409,30.477) 70.436,30.477 70.463,30.45 Q1.4 ; v1@70.445,29.142 70.993,29.142 71,29.15 Q1.6@71.292,29.15 ; R34.2 82,48.6 82,46.6 82.429,46.171 v1(82.429,34.449) 82.448,34.43 82.97,34.43 83.704,33.696 83.704,33.108 83.2,32.604 83.2,27.234 82.966,27 D1.1
  L03_SIG w0.4: J3.17 54.4,76.52 v1(54.4,69.6) 54.4,64.736 51.931,62.267 51.69,62.267 v1(50.523,61.099) 51.622,60 63.825,60 64.719,60.894 64.719,62.056 65.07,62.407 65.07,66.87 66.8,68.6 69.15,68.6 73.696,64.054 73.696,63.908 74.53,63.074 74.53,62.47 74.587,62.413 74.587,46.413 75,46 75,39.794 74.132,38.926 74.132,34.2 ; v1(70.426,29.161) 70.445,29.18 70.445,29.449 70.504,29.508 70.504,30.354 70.409,30.45 v1(70.409,30.477) 74.132,34.2 ; v1(82.429,34.449) 82.078,34.8 78.742,34.8 78.142,34.2 74.132,34.2
RPI_5V0: J3.2 J3.4 R3.2 R9.2 | length 16.7
  L01_SIG w1: J3.4 36.308,79.168 34.11,79.168 32.316,77.374 32.316,76.086 33.226,75.176 37.324,75.176 38.75,73.75 38.75,73.4 R9.2 R3.2
S1_OUT: R20.1 S1.1 S1.2 | length 10.2
  L01_SIG w0.4: R20.1 61.813,37.013 62.666,37.013 64.55,38.897 S1.1 S1.2
SWCLK: J6.5 U3.24 | length 98.2
  L01_SIG w0.254: J6.5 60.525,28.957 61.118,28.363 61.582,28.363 v1(61.629,28.316) ; U3.24 66.042,50.15 68.431,52.539 68.431,54.892 69.888,56.349 69.888,56.688 72.8,59.6 72.8,59.753 72.857,59.811 72.857,69.989 72.8,70.047 v1(72.8,70.6)
  L03_SIG w0.254: v1(61.629,28.316) 61.668,28.316 62.382,27.602 64.31,27.602 65.539,28.831 66.43,28.831 67.261,28 82.247,28 83.787,29.54 83.787,30.331 85.257,31.801 85.257,34.143 85.162,34.239 85.162,35.761 85.257,35.857 85.257,45.143 84.143,46.258 84.143,58.118 78.512,63.749 78.512,64.027 77.251,65.288 77.173,65.288 73.143,69.318 73.143,69.704 72.847,70 72.847,70.553 v1(72.8,70.6)
SWDIO: J6.4 U3.23 | length 103.5
  L01_SIG w0.254: v1(61.37,29.03) 61.37,29.097 61.716,29.443 61.716,30.667 J6.4 ; U3.23 66.45,49.65 69,52.2 69,54.814 70.345,56.16 70.345,56.499 73.6,59.753 v1(73.6,71.4)
  L03_SIG w0.254: v1(61.37,29.03) 60.488,28.149 60.488,27.312 61.2,26.6 65.107,26.6 65.359,26.851 65.359,26.871 65.729,27.241 67.778,27.241 67.998,27.021 80.871,27.021 81.288,26.605 81.498,26.605 84.244,29.351 84.244,30.142 85.714,31.612 85.714,34.333 85.619,34.428 85.619,35.572 85.714,35.667 85.714,45.333 84.6,46.447 84.6,58.308 78.969,63.939 78.969,64.217 76.817,66.369 76.739,66.369 73.6,69.508 v1(73.6,71.4)
SWO: J6.3 U3.26 | length 95.9
  L01_SIG w0.254: v1(63,29.2) 63.013,29.212 63.013,30.714 J6.3 ; U3.26 64.05,51.75 63.2,52.6 63.2,54.2 64.4,55.4 68,55.4 68.569,55.969 68.862,55.969 69.431,56.539 69.431,57.031 72.4,60 72.4,69.8 v1(71.8,70.4)
  L03_SIG w0.254: v1(63,29.2) 65.261,29.2 65.349,29.288 66.619,29.288 67.45,28.457 82.057,28.457 83.33,29.73 83.33,30.52 84.8,31.991 84.8,33.954 84.705,34.049 84.705,35.951 84.8,36.046 84.8,44.954 83.686,46.068 83.686,57.929 78.055,63.56 78.055,63.838 77.061,64.831 76.983,64.831 72.686,69.129 72.686,69.514 v1(71.8,70.4)
TJA1051_RX: R22.1 U4.4 | length 9
  L01_SIG w0.254: R22.1 78.4,52.2 80.2,54 80.2,55.2 79.175,56.225 U4.4
TJA1051_SLEEP: R25.2 U4.8 | length 1.6
  L01_SIG w0.254: R25.2 77.202,59.6 77.225,59.577 U4.8
TJA1051_TX: R21.1 U4.1 | length 4.2
  L01_SIG w0.254: R21.1 75.2,55.264 76.039,56.103 76.944,56.103 77.225,56.384 U4.1
U2_BOOT: C1.2 U2.6 | length 1.9
  L01_SIG w0.4: C1.2 39.5,51.4 40.05,50.85 U2.6
U2_EN: R1.1 U2.5 | length 4.5
  L01_SIG w0.4: R1.1 39.45,53.6 41,52.05 U2.5
U2_FB: C10.1 R5.1 R10.2 U2.4 | length 6
  L01_SIG w0.4: U2.4 42.05,49.85 42.05,55.45 R5.1
U2_SW: C1.1 L1.1 U2.2 | length 13.7
  L01_SIG w0.6: v1(36.523,50.846) 36.582,50.905 36.841,50.905 37.136,51.2 37.55,51.2 C1.1 ; 41,45.116 41.063,45.179 v1(42.635,45.179) ; 41,45.8 U2.2
  L01_SIG w1.2: 41,45.116 41,45.8
  L03_SIG w0.6: v1(36.523,50.846) 36.523,50.477 41.821,45.179 v1(42.635,45.179)
U5_DISABLE: R27.1 R29.2 R30.2 R31.2 R35.2 U5.1 | length 10.6
  L01_SIG w0.254: R29.2 45.6,66.4 ; R27.1 45.6,66.4 ; U5.1 51.952,65.123 51.627,65.123 50.4,66.35 R31.2 45.818,66.4 45.6,66.4
UART_FC_TO_RPI: D8.2 J3.10 J4.2 J5.2 J7.3 R32.1 R34.1 U3.20 | length 167
  L01_SIG w0.254: J5.2 v1@36.675,70.475 ; v1(45.205,70.243) 45.209,70.246 45.796,70.246 D8.2 ; U3.20 65.173,48.173 69.173,48.173 69.353,48.353 69.353,48.653 69.711,49.011 v1(69.711,49.078) 72.904,49.078 ; R32.1 71,32.827 72.773,34.6 79.8,34.6 81,35.8 81,44.2 80.2,45 R34.1 79.922,49.078 72.904,49.078 ; v1(72.741,43.826) 72.741,48.916 72.904,49.078
  L01_SIG w0.4: J7.3 27.054,40.514 v1(28.183,40.514) ; J4.2 J5.2
  L03_SIG w0.254: v1(28.183,40.514) 28.183,40.486 28.327,40.343 28.327,40.263 31.121,37.469 32.078,37.469 32.548,37 59.042,37 59.366,36.676 59.366,35.034 60.4,34 63.43,34 64.061,33.369 65.039,33.369 68.776,37.106 68.776,39.176 72.722,43.122 72.722,43.807 v1(72.741,43.826) ; v1(36.795,70.508) 36.801,70.508 37.067,70.243 v1(45.205,70.243) ; J3.10 45.288,78.012 45.288,74.364 46.4,73.252 46.4,71.438 v1(45.205,70.243) ; v1(69.711,49.078) 64.922,49.078 63.769,50.231 55.369,50.231 46.408,59.192 46.408,69.04 v1(45.205,70.243)
UART_RPI_TO_FC_BUF: D9.2 J4.3 J5.3 J7.1 R14.1 R28.1 R33.2 U5.4 | length 181.1
  L01_SIG w0.254: J7.1 J7.1@27.003,45.537 ; v1(28.3,47.158) 28.3,51.9 38.8,62.4 38.8,64.8 34.375,69.225 J5.3 J5.3@32.316,69.225 ; U5.4 53.978,63.747 56.053,63.747 R28.1 55.902,63.302 55.902,62.343 55.584,62.025 ; D9.2 54.771,61.979 55.563,61.979 v1(55.563,58.037) ; v1(55.549,55.589) 57.189,55.589 57.6,56 67,56 v1(67.8,56.8) ; v1@70.239,43.426 70.279,43.426 70.705,43 73.73,43 76.33,45.6 78.4,45.6 79.6,44.4 79.6,37.014 78.386,35.8 70.4,35.8 69,34.4 69,28.253 69.653,27.6 R33.2 ; R14.1 70.439,44.361 v1(70.439,43.426)
  L01_SIG w0.4: J7.1@27.003,45.537 v1(28.281,45.537) ; J4.3 J5.3@32.316,69.225
  L03_SIG w0.254: v1(28.281,45.537) 30.418,43.4 44.86,43.4 45.46,44 57.661,44 57.749,44.088 62.601,44.088 62.689,44 64.2,44 65.8,42.4 69.711,42.4 70.239,42.927 70.239,43.426 70.339,43.526 73.086,46.273 73.086,61.714 68.105,66.695 67.295,66.695 66.6,66 66.6,61.3 67.8,60.1 v1(67.8,56.8) ; v1@28.29,45.547 v1@28.29,47.148 ; v1(55.549,55.589) 55.556,55.596 55.556,58.03 v1(55.563,58.037)
  L03_SIG w0.4: v1(28.281,45.537) v1@28.29,45.547 ; v1@28.29,47.148 v1(28.3,47.158)
UART_RPI_TO_FC_MCU: R14.2 R15.2 U3.19 | length 6.8
  L01_SIG w0.254: U3.19 68.35,47.65 68.6,47.4 68.6,46.4 R14.2@68.6,44.4 ; R14.2@68.8,44.2 R14.2
UART_RPI_TO_FC_RAW: D10.2 J3.8 J7.2 R15.1 R26.1 U5.2 | length 158.3
  L01_SIG w0.254: v1(47.09,64.568) 47.099,64.559 47.991,64.559 D10.2 48.08,64.55 48.098,64.568 49.882,64.568 50.4,64.05 R26.1@50.4,64.027 ; R26.1 R26.1@50.4,64.027 ; U5.2 50.773,64.4 R26.1@50.4,64.027 ; R15.1 70.498,46.498 v1(70.498,47.388)
  L01_SIG w0.4: J7.2 27.001,43.001 v1(28.165,43.001)
  L03_SIG w0.254: v1(28.165,43.001) 30.256,40.91 55.217,40.91 57.908,43.6 59.308,43.6 59.339,43.631 62.412,43.631 65.133,40.91 68.868,40.91 73.543,45.585 73.543,62.657 68.6,67.6 67.247,67.6 66.143,66.496 66.143,59.839 66.722,59.26 66.722,51 ; J3.8 42.671,80.451 47.241,80.451 47.8,79.892 47.8,75.2 47.496,74.896 47.496,65.041 47.09,64.635 v1(47.09,64.568) 47.155,64.568 47.67,64.053 47.67,62.93 53.2,57.4 53.2,53.4 55.912,50.688 62.349,50.688 62.661,51 66.722,51 ; v1@70.451,47.455 70.451,49.549 69,51 66.722,51
pads on no net: J1.MH0 J1.MH1 MH1.1 MH2.1 MH3.1 MH4.1 U1.5 U3.2 U3.3 U3.7 U3.8 U3.9 U3.10 U3.11 U3.12 U3.13 U3.14 U3.15 U3.18 U3.25 U3.27 U3.28 U3.29 U3.30
copper on no net:
  other v1: 29,27 87,27 27.653,27.494 85.653,27.494 30.506,27.653 88.506,27.653 27,29 31,29 85,29 89,29 27.494,30.347 85.494,30.347 30.347,30.506 88.347,30.506 29,31 87,31 29,76 87,76 27.653,76.494 85.653,76.494 30.506,76.653 88.506,76.653 27,78 31,78 85,78 89,78 27.494,79.347 85.494,79.347 30.347,79.506 88.347,79.506 29,80 87,80

## Polygon pours and split planes (outlines as drawn)
GND on L04_GND "NONET_L-01_P-001" (solid, remove dead copper, pour order 0): 25,25 93,25 93,83 25,83
GND on L02_GND "NONET_L-01_P-001" (solid, remove dead copper, pour order 1): 25,25 93,25 93,83 25,83
GND on L03_SIG "NONET_L-01_P-001" (solid, remove dead copper, pour order 2): 25,25 93,25 93,83 25,83
GND on L01_SIG "NONET_L-01_P-001" (solid, remove dead copper, pour order 3): 25,25 93,25 93,83 25,83

## Silkscreen, mask and mechanical layers (free items; w line width, h text height)
Top Overlay:
  lines w0.1: 76.338,45.704 77.338,45.704 ; 76.523,35.604 77.523,35.604 ; 76.8,45.2 76.8,46.2
  text "Daniel Puratich - WARG" at 42.55,35.15 h0.7
  text "RPi Interface Rev B" at 43.75,33.75 h0.7
Bottom Overlay:
  drawing of 91 lines, arcs and shapes, not listed
  text "Daniel Puratich - WARG" at 73.946,71.654 h1.52
  text "RPi Interface Rev B" at 71.746,69.254 h1.52
Top Solder:
  lines w0.2: 48.2,28.2 50.4,28.2 ccw(c49.5,28.2) 48.811,28.779 cw(c48.511,28.779) 48.511,29.079 48.511,29.845
M1 Board Outline:
  the board outline again, w0.15